# Altium PCB Debugger.PcbDoc
Units mil, origin at the board's own origin, x right, y up, seen from the top; angles counter-clockwise.
Board outline 1390 x 1075 mil, 2 copper layers (Top Layer, Bottom Layer); 37 components, 22 nets, 175 pads, 48 vias.
Unrouted connection lines stored in the file: 2.
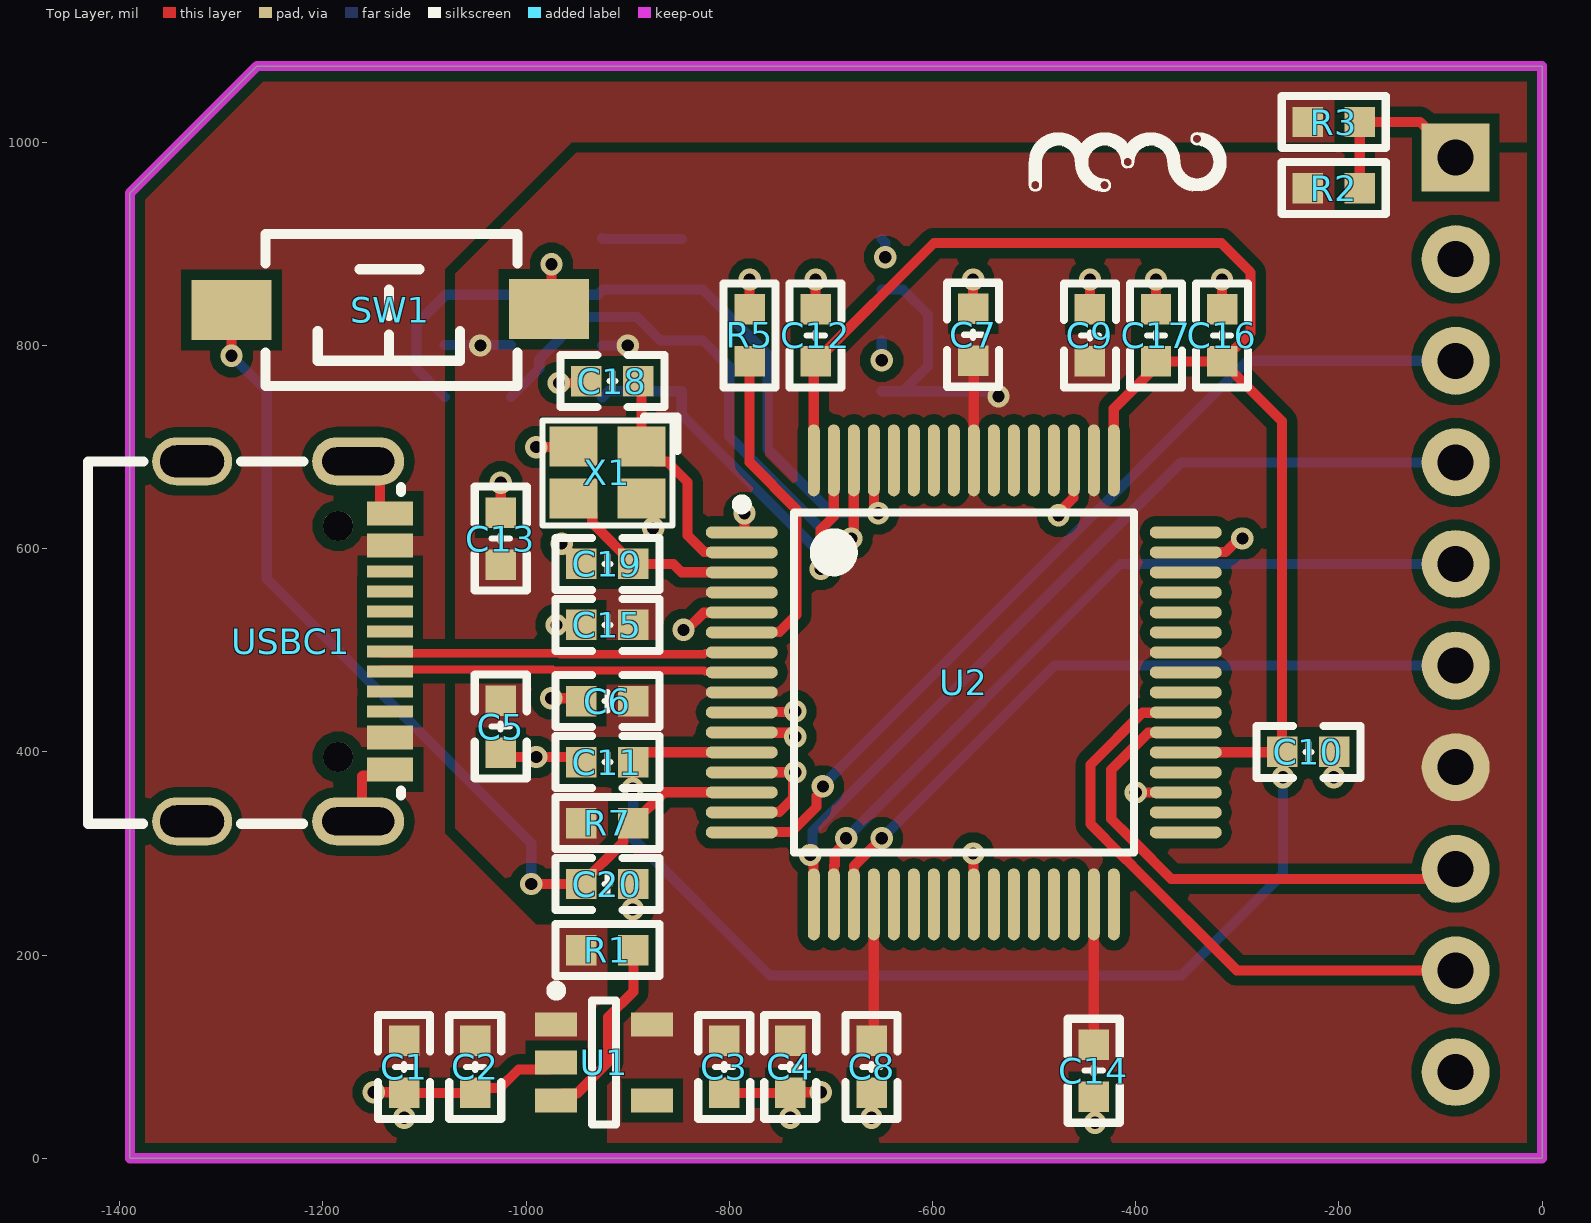
[diagram p0: Top Layer view]
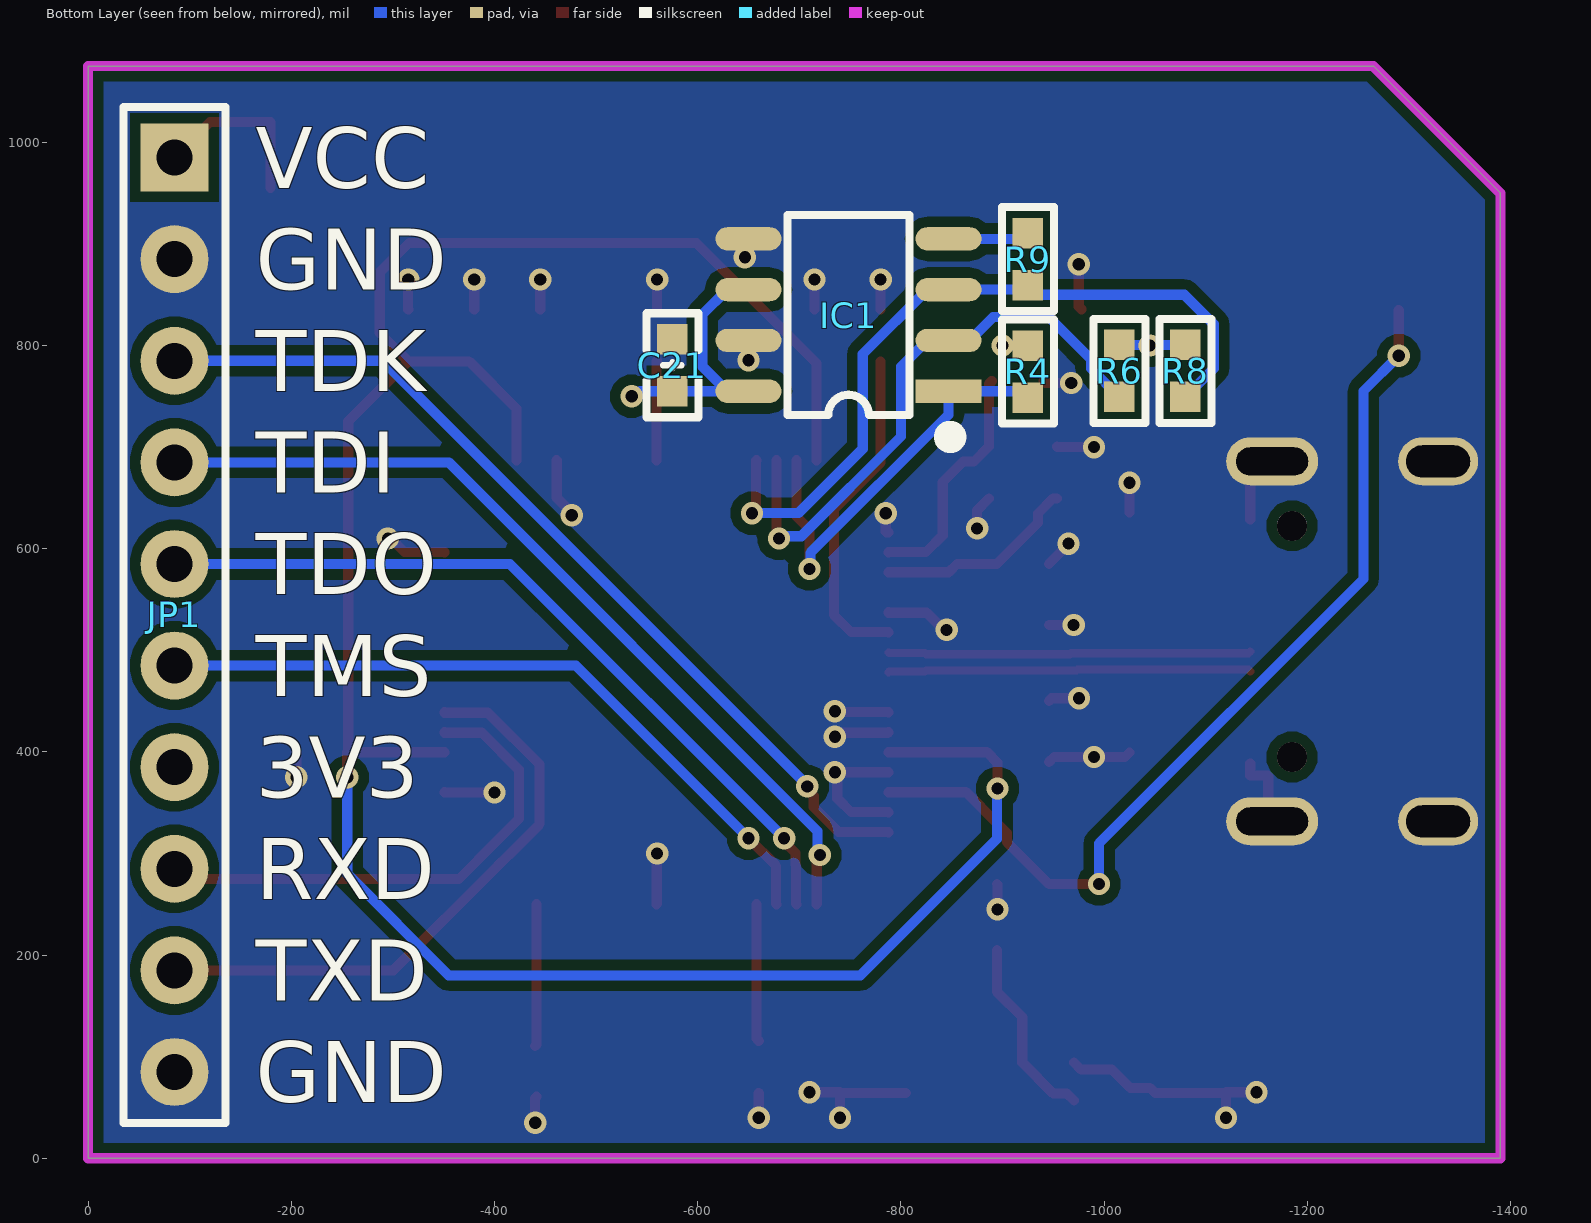
[diagram p1: Bottom Layer view, seen from below]

## Layer stack, top to bottom
Top Solder: solder mask 0.4, Solder Resist, Dk 3.5
Top Layer: signal copper 1.4
Dielectric 1: dielectric 12.6, FR-4, Dk 4.8
Bottom Layer: signal copper 1.4
Bottom Solder: solder mask 0.4, Solder Resist, Dk 3.5

## Board outline
-1390,0 0,0 0,1075 -1265,1075 -1390,950

## Design rules (kind name [scope] priority, off if disabled: settings)
Clearance [All] p1: gap=8 ignorepadtopadclearanceinfootprint=TRUE except(10: Arc-Fill Arc-Poly Arc-Region Track-Fill Track-Poly Track-Region SMDPad-Fill SMDPad-Poly SMDPad-Region THPad-Fill THPad-Poly THPad-Region Via-Fill Via-Poly Via-Region Fill-Fill Fill-Poly Fill-Region Poly-Poly Poly-Region Region-Region)
DiffPairsRouting [All] p1: maxlimit=10 minlimit=8 mostfreqgap=8 toplayer_minwidth=8 toplayer_maxwidth=15 toplayer_prefwidth=8 bottomlayer_minwidth=8 bottomlayer_maxwidth=15 bottomlayer_prefwidth=8 maxuncoupledlength=500
PlaneConnect [All] p1: planeconnectstyle=Direct reliefexpansion=20 reliefentries=4 reliefconductorwidth=10 reliefairgap=10
PolygonConnect [All] p1: connectstyle=Direct reliefconductorwidth=10 reliefentries=4 polygonreliefangle="90 Angle" airgapwidth=10
RoomDefinition Debugger [InComponentClass('Debugger')] p1: confinementstyle=ConfineIn formatcopy=TRUE lockcomponents=FALSE outline 950,-620 6815,-620 6815,-180 950,-180
RoutingVias [All] p1: holewidth=12 width=22 viastyle="Through Hole" minholewidth=12 minwidth=22 maxholewidth=12 maxwidth=22
SolderMaskExpansion [All] p1: expansion=4 istentingtop=FALSE
Width [All] p1: maxlimit=10 minlimit=10 preferedwidth=10
28 further rules are at their usual default settings.

## Classes and differential pairs
differential pair USB_D: +USB_D_P -USB_D_N

## Components (designator, comment, footprint, x,y, rotation, side; value= is the part's Value field where it differs from the comment)
C1 "10uF" C0603_L -1120,90 r270 top
C2 "100nF" C0603_L -1050,90 r270 top
C3 "100nF" C0603_L -805,90 r270 top
C4 "10uF" C0603_L -740,90 r270 top
C5 "10uF" C0603_L -1025,425 r90 top
C6 "100nF" C0603_L -920,450 r0 top
C7 "100nF" C0603_L -560,810.59 r270 top
C8 "100nF" C0603_L -660,90 r90 top
C9 "100nF" C0603_L -445,810 r270 top
C10 "100nF" C0603_L -230,400 r180 top
C11 "100nF" C0603_L -920,390 r0 top
C12 "100nF" C0603_L -715,810 r270 top
C13 "10uF" C0603_L -1025,610 r270 top
C14 "100nF" C0603_L -441.26,86.26 r90 top
C15 "100nF" C0603_L -920,525 r0 top
C16 "10uF" C0603_L -315,810 r270 top
C17 "100nF" C0603_L -380,810 r270 top
C18 "100nF" C0603_L -915,765 r0 top
C19 "100nF" C0603_L -920,585 r0 top
C20 "10uF" C0603_L -920,270 r180 top
C21 "100nF" C0603_L -575,780.59 r90 bottom
IC1 "93C46" SOP8_L -748.43,830 r0 bottom
JP1 "HDR-1X10" HDR2.54-LI-10P -85,535 r270 bottom
R1 "NC/100K" R0603_L -920,205 r0 top
R2 "0" R0603_L -205,955 r180 top
R3 "0" R0603_L -205,1020 r180 top
R4 "100K" R0603_L -925,774.41 r90 bottom
R5 "12K" R0603_L -780,810 r270 top
R6 "100K" R0603_L -1015,775 r90 bottom
R7 "100K" R0603_L -920,330 r180 top
R8 "100K" R0603_L -1080,775 r90 bottom
R9 "2.2K" R0603_L -925,885 r90 bottom
SW1 "3x6x5" "SW SMD-3*6*2.5" -1135,835 r180 top
U1 "RT9080-3.3" SOT-23-5 -923.09,94.29 r0 top
U2 "FT2232HL-Reel" LQFP-64_N -569.21,468.5 r0 top
USBC1 "TYPE-C 2.0 -16P" USB-C-SMD_16P -1231.25,508.78 r90 top
X1 "12M" XTAL-2025-4P -920,675 r180 top

## Footprints (in the part's own frame and the unit in brackets; to place one, negate y for a bottom-side part, rotate by r counter-clockwise, add the part's x,y. Pads: shape width x height; smd on the part's side, far side on the other; paste and mask are expansions set on the pad)
C0603_L [mil] "贴片MLCC电容"
  rect 30x30 smd: 1(-25.59,0) 2(25.59,0)
  silkscreen extent -51,-26 51,26, body extent -31,-16 32,16, height 33
HDR2.54-LI-10P [mm] "排针，10脚   淘宝ID:黄晶宝石   店铺网址:https://shop463601444.taobao.com"
  rect 1.7x1.7 hole 0.9: 1(-11.43,0)
  round 1.7 hole 0.9: 2(-8.89,0) 3(-6.35,0) 4(-3.81,0) 5(-1.27,0) 6(1.27,0) 7(3.81,0) 8(6.35,0) 9(8.89,0) 10(11.43,0)
  silkscreen extent -12.7,-1.27 12.7,1.27, body extent -12.7,-1.27 12.7,1.27, height 2.54
LQFP-64_N [mm] "Thin QFP, 64-Leads, Body 10x10mm, Pitch 0.5mm, IPC Medium Density"
  oval 1.8x0.3 smd: 1(-5.55,3.75) 2(-5.55,3.25) 3(-5.55,2.75) 4(-5.55,2.25) 5(-5.55,1.75) 6(-5.55,1.25) 7(-5.55,0.75) 8(-5.55,0.25) 9(-5.55,-0.25) 10(-5.55,-0.75) 11(-5.55,-1.25) 12(-5.55,-1.75) 13(-5.55,-2.25) 14(-5.55,-2.75) 15(-5.55,-3.25) 16(-5.55,-3.75) 33(5.55,-3.75) 34(5.55,-3.25) 35(5.55,-2.75) 36(5.55,-2.25) 37(5.55,-1.75) 38(5.55,-1.25) 39(5.55,-0.75) 40(5.55,-0.25) 41(5.55,0.25) 42(5.55,0.75) 43(5.55,1.25) 44(5.55,1.75) 45(5.55,2.25) 46(5.55,2.75) 47(5.55,3.25) 48(5.55,3.75)
  oval 0.3x1.8 smd: 17(-3.75,-5.55) 18(-3.25,-5.55) 19(-2.75,-5.55) 20(-2.25,-5.55) 21(-1.75,-5.55) 22(-1.25,-5.55) 23(-0.75,-5.55) 24(-0.25,-5.55) 25(0.25,-5.55) 26(0.75,-5.55) 27(1.25,-5.55) 28(1.75,-5.55) 29(2.25,-5.55) 30(2.75,-5.55) 31(3.25,-5.55) 32(3.75,-5.55) 49(3.75,5.55) 50(3.25,5.55) 51(2.75,5.55) 52(2.25,5.55) 53(1.75,5.55) 54(1.25,5.55) 55(0.75,5.55) 56(0.25,5.55) 57(-0.25,5.55) 58(-0.75,5.55) 59(-1.25,5.55) 60(-1.75,5.55) 61(-2.25,5.55) 62(-2.75,5.55) 63(-3.25,5.55) 64(-3.75,5.55)
  silkscreen extent -5.67,-4.25 4.25,4.57, body extent -5,-5 5,5, height 1.6
R0603_L [mil] "1/10W贴片电阻"
  rect 30x30 smd: 1(-25.59,0) 2(25.59,0)
  silkscreen extent -51,-26 51,26, body extent -31,-16 32,16, height 16
SOP8_L [mil] "5*6*1.8mm（长宽高）"
  rect 65x23 smd: 1(-98.43,75)
  oval 65x23 smd: 2(-98.43,25) 3(-98.43,-25) 4(-98.43,-75) 5(98.43,-75) 6(98.43,-25) 7(98.43,25) 8(98.43,75)
  silkscreen extent -106,-98 60,126, body extent -118,-98 118,98, height 75
SOT-23-5 [mm] "SOT23, 5-Leads, Body 2.9x1.6mm, Pitch 0.95mm, IPC Medium Density"
  rect 1.05x0.6 smd: 1(-1.2,0.95) 2(-1.2,0) 3(-1.2,-0.95) 4(1.2,-0.95) 5(1.2,0.95)
  silkscreen extent -1.32,-1.55 0.3,1.92, body extent -1.4,-1.5 1.4,1.5, height 1.15
"SW SMD-3*6*2.5" [mm] "3*6*2.5mm"
  rect 2x1.5 smd: 1(-3.996,-0.02) 2(3.937,0)
  silkscreen extent -3.21,-1.9 3.09,1.9, body extent -4,-1.75 4,1.75, height 2.59
USB-C-SMD_16P [mm] "封装库来自淘宝ID:黄晶宝石"
  oval 1.2x2.3 hole 0.7 slot 1.8 at 90 deg: 0(-4.5,-1.675) 0(4.5,-1.675)
  oval 1.2x2 hole 0.8 slot 1.6 at 90 deg: 0(-4.5,2.475) 0(4.5,2.475)
  rect 0.3x1.15 smd: A1(3.35,-2.473) A4(2.55,-2.471) A5(1.25,-2.475) A6(0.25,-2.475) A7(-0.25,-2.473) A9(-2.55,-2.475) A12(-3.35,-2.475) B1(-3.05,-2.475) B4(-2.25,-2.475) B5(-1.75,-2.475) B6(-0.75,-2.475) B7(0.75,-2.473) B9(2.25,-2.471) B12(3.05,-2.473)
  rect 0.3x1.148 smd: A8(1.75,-2.475) B8(-1.25,-2.475)
  round 0.75 hole 0.75 unplated: ""(-2.89,-1.175) ""(2.89,-1.175)
  silkscreen extent -4.56,-2.75 4.5,5.08, body extent -4.45,-2.87 4.49,5.03, height 3.25
XTAL-2025-4P [mm] "2*2.5*0.55mm(长宽高)"
  rect 1.2x1 smd: 1(-0.85,-0.65) 2(0.85,-0.65) 3(0.85,0.65) 4(-0.85,0.65)
  silkscreen extent -1.75,-1.4 1.63,1.32, body extent -1.25,-1 1.25,1, height 0.55

## Part data
C1 C2 C3 C4 C5 C6 C7 C8 C9 C10 C11 C12 C13 C14 C15 C16 C17 C18 C19 C20 C21: library part C, "贴片电容/MLCC电容", BOM名称=无极性贴片电容, 联系卖家，免费查找封装=唯一出售店铺网址https://shop463601444.taobao.com
IC1: "外置EEPROM", BOM名称=外置EEPROM, 联系卖家 免费查找封装=唯一出售店铺网址https://shop463601444.taobao.com
JP1: library part "Header 10", "10P接插件", BOM名称=10P接插件, 封装库来自淘宝卖家ID:黄晶宝石=其他店铺购入均为盗版假冒封装库，请立即申请退款，本店现金奖励20~200元, 联系卖家，免费查找封装=唯一出售店铺网址https://shop463601444.taobao.com
R1 R2 R3 R4 R5 R6 R7 R8 R9: library part R, "贴片电阻", BOM名称=贴片电阻, 联系卖家，免费查找封装=唯一出售店铺网址https://shop463601444.taobao.com
SW1: library part "SW 3x6", "3x6轻触开关", BOM名称=3x6轻触开关, 封装库来自淘宝卖家ID：黄晶宝石=其他店铺购入的，请立即申请退款，本店现金奖励20~500元, 联系卖家，免费查找封装=唯一出售店铺网址https://shop463601444.taobao.com
U1: library part RT9193-18GB, "LDO 1.8V/0.3A", BOM名称=RT9193-18GB, 封装库来自淘宝卖家ID：黄晶宝石=其他店铺购入的买家，请立即申请退款，本店现金奖励20~1000元, 芯片厂商=RICHTEK
U2: library part CMP-0078-00023-3, "Dual High Speed USB To Multipurpose UART/FIFO IC, 64-pin LQFP, Tape and Reel", Manufacturer=FTDI, ComponentLink1Description="Manufacturer URL", ComponentLink1URL=http://www.ftdichip.com/, ComponentLink2Description=Datasheet, ComponentLink2URL=http://www.ftdichip.com/Support/Documents/DataSheets/ICs/DS_FT2232H.pdf, DatasheetVersion="ver 2.21, Jun-2012", PackageDescription="64-Pin Thin Quad Flat Pack, 10 x 10 x 1.4 mm Body, 0.5 mm Pitch", PackageReference=LQFP-64, PackageVersion=Jun-12, PartNumber=FT2232HL-Reel, RevisionNote="DatasheetVersion updated to 2.21 Jun-2012"
USBC1: library part USB2.0_Type-C_16Pin, "USB2.0_Type-C_16Pin母座", 联系卖家 免费技术支持=封装库来自淘宝卖家ID：黄晶宝石
X1: library part XTAL-4P, "4脚无源晶振(谐振器）", BOM名称=4脚无源晶振(谐振器）, 联系卖家，免费查找封装=唯一出售店铺网址https://shop463601444.taobao.com

## Via types
v1: diameter 22, hole 12, Top Layer to Bottom Layer, 48 vias

## Nets (pads, with @x,y where several pads share a name; then routed paths per layer and width w, separated by ;. In a path a pad name is that pad's centre, name@x,y a point inside that pad or via, vN(x,y) a via of type N, cw(c..) or ccw(c..) an arc to the next point about the centre after c; other vN are vias at no path point)
3V3: C3.1 C4.1 C5.2 C6.2 C7.2 C8.2 C9.2 C13.2 C14.2 C15.2 C21.1 IC1.6 IC1.8 JP1.7 R2.2 R4.2 R6.2 R7.2 R8.2 U1.5 U2.4 U2.9 U2.20 U2.31 U2.42 U2.50 U2.56 | length 721.9
  Top Layer w10: C8.2 -657.8,117.79 U2.20 ; C7.2 -559.37,784.37 U2.56 ; U2.31 C14.2 C14.2@-440,110.59
  Bottom Layer w10: R8.2 R6.2 ; R4.2 v1(-900,800) ; IC1.8 IC1.8@-629,755 ; IC1.6 -629,855 -604.5,830.5 -604.5,779.5 IC1.8@-629,755 ; v1(-535,750) -538.25,750 -543.25,755 C21.1 IC1.8@-629,755
  other v1: -1045,800
GND: C1.2 C2.2 C3.2 C4.2 C5.1 C6.1 C7.1 C8.1 C9.1 C10.1 C11.1 C12.1 C13.1 C14.1 C15.1 C16.1 C17.1 C18.1 C19.1 C20.1 C21.2 IC1.5 IC1.7 JP1.2 JP1.10 R5.1 SW1.1 U1.2 U2.1 U2.5 U2.10 U2.11 U2.13 U2.15 U2.25 U2.35 U2.47 U2.51 USBC1.0 USBC1.A1 USBC1.A12 USBC1.B1 USBC1.B12 X1.2 X1.4 | length 1699
  Top Layer w10: USBC1.0@-1175.32,331.62 -1161.46,345.48 -1161.46,375.99 -1160.55,376.89 -1143.82,376.89 USBC1.B1@-1143.82,388.71 ; USBC1.0@-1175.32,685.95 -1163.74,685.95 -1143.88,666.09 USBC1.B12@-1143.88,628.86 ; v1(-1150,65) -1120.59,65 C1.2 ; v1(-1120,40) C1.2 ; C5.1 -1020.59,395 v1(-990,395) -950.6,395 C11.1 ; C13.1 v1(-1025,665) ; v1(-990,700) -954.06,700 X1.2 ; SW1.1 -975,838.47 v1(-975,880) ; v1(-975.21,452.86) -948.46,452.86 C6.1 ; U1.2 -977.14,87.48 -1007.52,87.48 -1025.86,69.14 -1045.28,69.14 C2.2 C1.2 ; v1(-970,525) C15.1 ; v1(-967.69,763.16) -942.43,763.16 C18.1 ; v1(-965,605) -965,604.4 C19.1 ; v1(-895,245) -895,269.41 C20.1 ; X1.4 -875,637.87 v1(-875,620) ; v1(-845,520.15) -842.2,520.15 -825.29,537.06 -788.06,537.06 U2.5 ; C3.2 C4.2 ; U2.15 -787.37,340.9 -750.79,340.9 -737.3,354.39 -737.3,377.7 v1(-735,380) ; U2.13 -787.68,379.96 v1(-735,380) ; U2.11 -787.37,418.95 -742.19,418.95 -738.25,415 v1(-735,415) ; U2.10 -787.37,439.32 -735.68,439.32 v1(-735,440) ; U2.1 -785.84,616.14 -785,616.98 v1(-785,635) ; R5.1 v1(-780,865) ; v1(-740,40) C4.2 ; v1(-735,380) v1(-735,380) ; C12.1 v1(-715,865) ; v1(-710,65) -739.42,65 C4.2 ; v1(-660,40) C8.1 ; v1(-560,300) -559.69,299.68 -559.69,250.32 U2.25 ; C7.1 v1(-560,865) ; v1(-475.92,633.02) -475.92,635.46 -461.29,650.08 -461.29,686.66 U2.51 ; C9.1 v1(-445,865) ; C14.1 -440,59.41 v1(-440,35) ; v1(-400,360) -399.88,360.12 -350.83,360.12 U2.35 ; C17.1 v1(-380,865) ; U2.47 -350.36,596.8 -311.44,596.8 -298.25,610 v1(-295,610) ; C16.1 v1(-315,865) ; v1(-205,375) -205,399.41 C10.1
  Bottom Layer w10: v1(-650,785.5) IC1.7 ; IC1.5 -646.43,901.43 v1(-646.43,886.93)
JTAG_TCK: JP1.3 U2.16 | length 903.8
  Top Layer w10: U2.16 -787.41,321.18 -738.82,321.18 -714.19,345.81 -714.19,356.51 -707.89,362.8 v1(-707.89,366.05)
  Bottom Layer w10: v1(-707.89,366.05) -707.89,367.11 -290,785 JP1.3
JTAG_TDI: JP1.4 U2.17 | length 857.7
  Top Layer w10: v1(-720.26,298.54) -720.26,295.3 -717.2,292.24 -717.2,250.35 U2.17
  Bottom Layer w10: v1(-720.26,298.54) -717.96,300.84 -717.96,322.04 -355,685 JP1.4
JTAG_TDO: JP1.5 U2.18 | length 781.9
  Top Layer w10: U2.18 -696.82,250.35 -696.82,288.04 -696.26,288.6 -696.26,300.49 -685,311.75 v1(-685,315)
  Bottom Layer w10: v1(-685,315) -415,585 JP1.5
JTAG_TMS: JP1.6 U2.19 | length 711.8
  Top Layer w10: U2.19 -677.13,250.35 -677.13,287.87 v1(-650,315)
  Bottom Layer w10: v1(-650,315) -480,485 JP1.6
NetC18_2: C18.2 U2.2 X1.1 | length 238.2
  Top Layer w10: C18.2 -886.54,762.12 X1.1 -871.85,685.91 -861.34,685.91 -841.09,665.65 -841.09,613.25 -824.64,596.8 -788.06,596.8 U2.2
NetC19_2: C19.2 U2.3 X1.3 | length 201.3
  Top Layer w10: X1.3 -949.53,649.41 -934.84,634.72 -934.84,625.43 C19.2 -855.19,585 -846.96,576.77 U2.3
NetC20_2: C20.2 R7.1 SW1.2 U2.14 | length 937
  Top Layer w10: v1(-1290,790) SW1.2 ; v1(-995,270) C20.2 -904.41,311.18 -904.41,320 R7.1 -864.17,360.24 U2.14
  Bottom Layer w10: v1(-1290,790) -1255.23,755.23 -1255.23,570.23 -995,310 v1(-995,270)
NetIC1_1: IC1.1 R4.1 U2.63 | length 424.7
  Top Layer w10: v1(-710,580) -710,618.93 -697.17,631.77 U2.63
  Bottom Layer w10: R4.1 -918.82,755 IC1.1 -846.85,731.85 -710.88,595.88 -710.88,580.88 v1(-710,580)
NetIC1_2: IC1.2 R6.1 U2.62 | length 581.4
  Top Layer w10: v1(-680,610) -680,613.25 -677.48,615.77 U2.62
  Bottom Layer w10: R6.1 -987,777.41 -987,786.38 -945.38,828 -890.85,828 -867.85,805 IC1.2 -825.85,805 -800,779.15 -800,710.46 -701.84,612.3 -682.3,612.3 v1(-680,610)
NetIC1_3: IC1.3 R8.1 R9.1 U2.61 | length 751.3
  Top Layer w10: U2.61 -657.45,686.66 -657.45,642.22 -653.48,638.25 v1(-653.48,635)
  Bottom Layer w10: R8.1 -1108,777.41 -1108,820.97 -1078.98,850 -929.41,850 -924.41,855 IC1.3 -825.85,855 -762.5,791.65 -762.5,698.41 -699.09,635 v1(-653.48,635)
NetIC1_4: IC1.4 R9.2 | length 78.4
  Bottom Layer w10: R9.2@-925,905.59 -924.42,905 IC1.4
NetJP1_1: JP1.1 R2.1 R3.1 | length 173.9
  Top Layer w10: R2.1 R3.1 -120,1020 JP1.1
NetR1_2: R1.2 U1.3 | length 187.4
  Top Layer w10: U1.3 -963.52,63.7 -950.06,63.7 -919.34,94.41 -919.34,139.06 -894.41,163.99 R1.2
NetR5_2: R5.2 U2.6 | length 329.4
  Top Layer w10: U2.6 -787.37,518.06 -750.79,518.06 -734,534.85 -734,639 -780,685 R5.2
UART0_RX: JP1.8 U2.38 | length 504.7
  Top Layer w10: U2.38 -351.06,418.95 -387.63,418.95 -424,382.58 -424,334 -406.43,316.43 -406.29,316.43 -384.67,294.81 -384.67,294.67 -365,275 -95,275 JP1.8
UART0_TX: JP1.9 U2.39 | length 592.7
  Top Layer w10: U2.39 -351.06,438.63 -393.4,438.63 -444.38,387.66 -444.38,328.92 -413.89,298.43 -413.74,298.43 -402.67,287.36 -402.67,287.21 -300.46,185 JP1.9
USB_D_N: U2.7 USBC1.A7 USBC1.B7 | length 358.1
  Top Layer w8: USBC1.A7@-1143.88,498.94 -1142.1,497.16 -1106.21,497.16 -967.3,497.15 -966.35,496.19 -824.72,496.19 -823.61,497.3 -788.45,497.3 U2.7
USB_D_P: U2.8 USBC1.A6 USBC1.B6 | length 358
  Top Layer w8: USBC1.B6@-1143.82,479.26 -1142.04,481.04 -1106.27,481.04 -1106.17,481.15 -973.93,481.15 -972.97,480.19 -824.72,480.19 -823.61,479.08 -788.45,479.08 U2.8
V_BUS: C1.1 C2.1 R1.1 R3.2 U1.1 USBC1.A4 USBC1.A9 USBC1.B4 USBC1.B9
VCORE_FT: C10.2 C11.2 C12.2 C16.2 C17.2 U2.12 U2.37 U2.49 U2.64 | length 2409.3
  Top Layer w10: v1(-895,364) -895,389.41 C11.2 -884.8,399.61 U2.12 ; U2.64 -716.85,744.8 -716.85,782.57 C12.2 -598.56,900.86 -315.86,900.86 -287,872 -287,812.41 C16.2 ; U2.49 -421.57,737.84 -375,784.41 C16.2 ; U2.37 C10.2@-255.98,399.61 ; C10.2@-255.98,400 -255.98,725.39 C16.2 ; C10.2 -255,399.42 v1(-255,375)
  Bottom Layer w10: v1(-895,364) -894.55,363.56 -894.55,314.55 -760,180 -355,180 -255,280 v1(-255,375)
pads on no net: U1.4 U2.21 U2.22 U2.23 U2.24 U2.26 U2.27 U2.28 U2.29 U2.30 U2.32 U2.33 U2.34 U2.36 U2.40 U2.41 U2.43 U2.44 U2.45 U2.46 U2.48 U2.52 U2.53 U2.54 U2.55 U2.57 U2.58 U2.59 U2.60 USBC1. USBC1.A5 USBC1.A8 USBC1.B5 USBC1.B8

## Polygon pours and split planes (outlines as drawn)
3V3 on Top Layer "3V3_L01_P002" (solid, remove dead copper, pour order 2): -1410,735 -1130,735 -1070,675 -1070,325 -985,240 -920,240 -920,-25 25,-25 25,1125 -1410,1125
V_BUS on Top Layer "V_BUS_L01_P001" (solid, remove dead copper, pour order 1): -1410,1030 -1330,1110 35,1110 35,1000 -955,1000 -1080,875 -1080,320 -990,230 -920,230 -920,-25 -1410,-25
GND on Bottom Layer "GND_L02_P003" (solid, remove dead copper, pour order 3): -1490,1125 55,1125 55,-60 -1490,-60

## Keep-outs
Keep-Out Layer:
  the board outline again, w10

## Silkscreen, mask and mechanical layers (free items; w line width, h text height)
Top Overlay:
  region: 3615 vertices and 4 holes, not listed, extent -505.06,951.35 -310.65,1009.79
Bottom Overlay:
  text "VCC" at -165,955 h60
  text "GND" at -165,855 h60
  text "TDK" at -165,755 h60
  text "TDI" at -165,655 h60
  text "TDO" at -165,555 h60
  text "TMS" at -165,455 h60
  text "3V3" at -165,355 h60
  text "RXD" at -165,255 h60
  text "TXD" at -165,155 h60
  text "GND" at -165,55 h60
Mechanical 1:
  the board outline again, w10